# Allegro board poeicpt1_r1_2024_9_11_Afshari_Final.brd
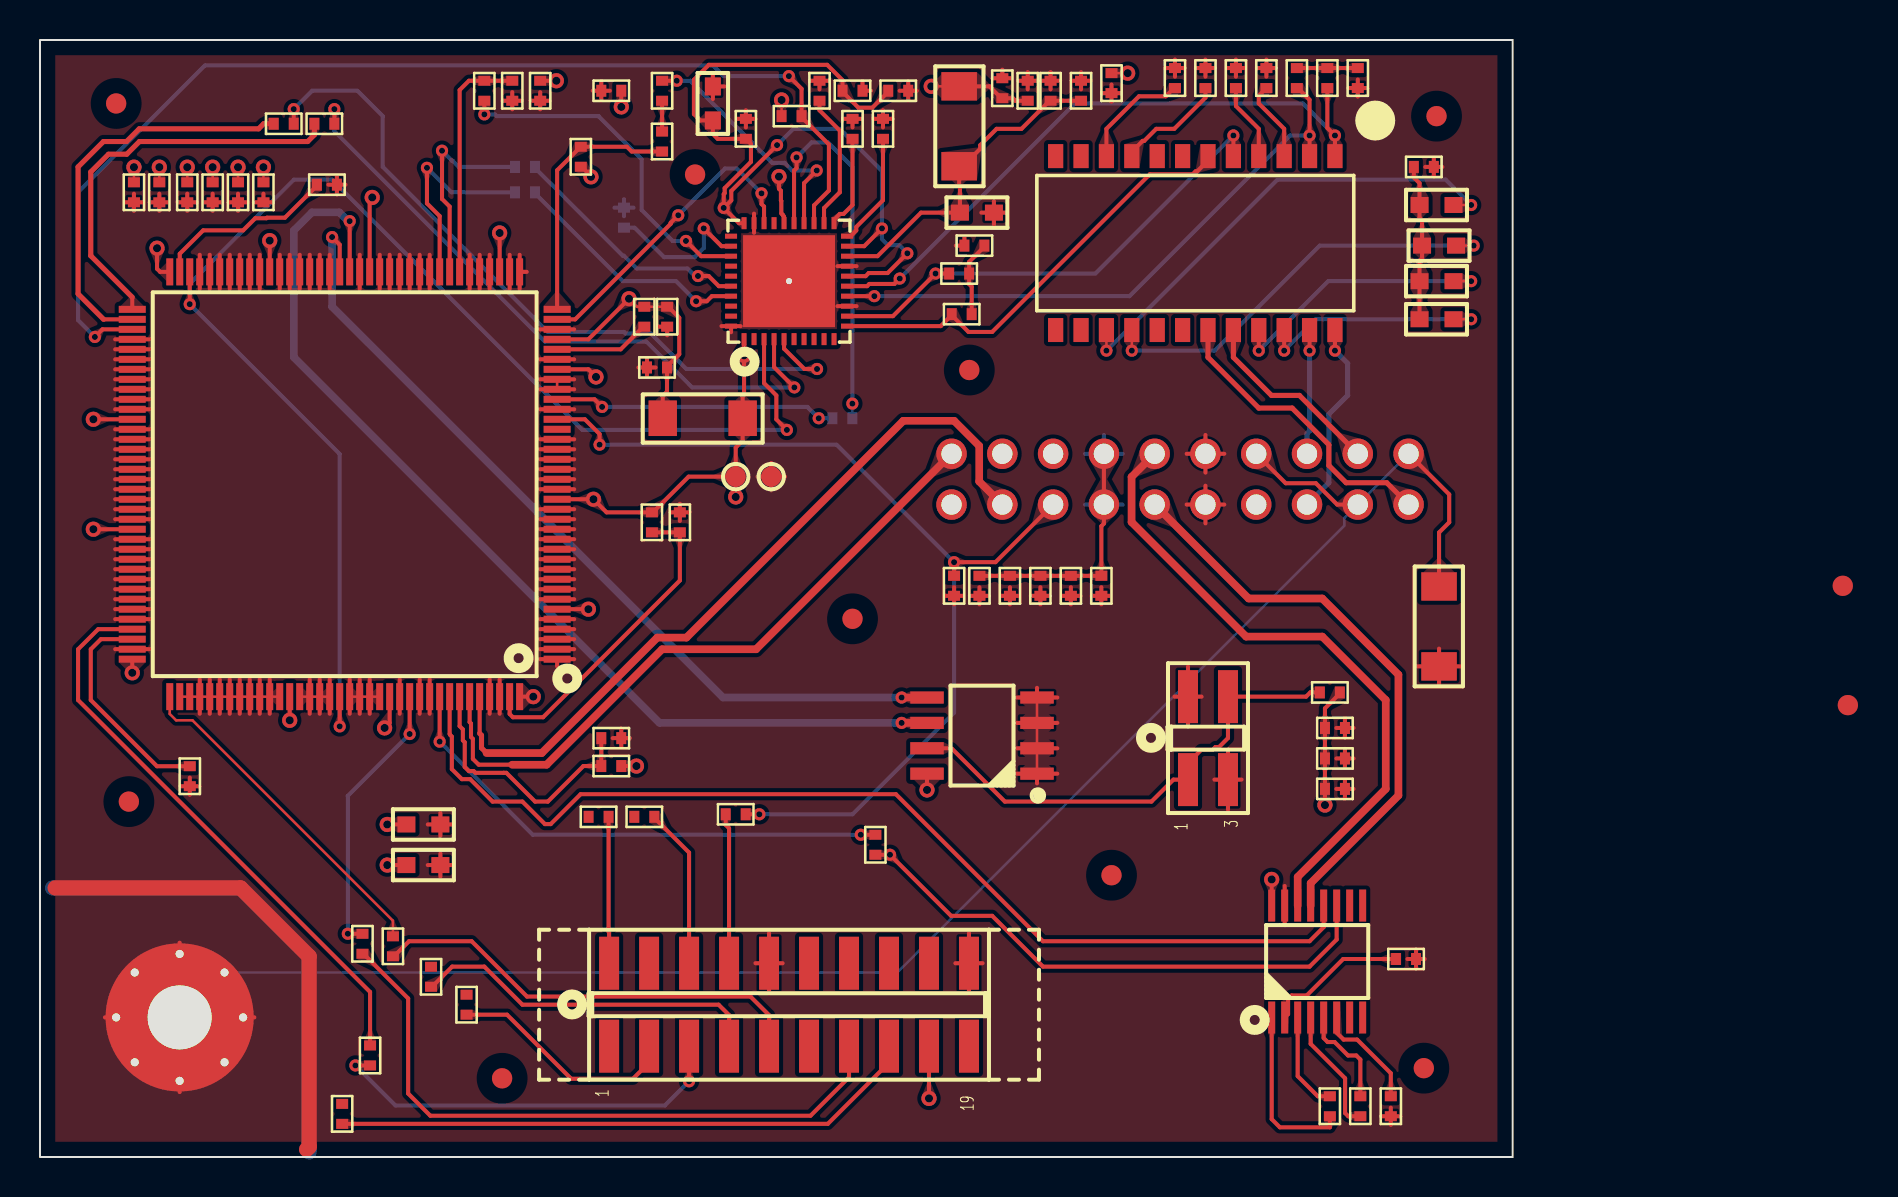
[diagram p0: board, top side]
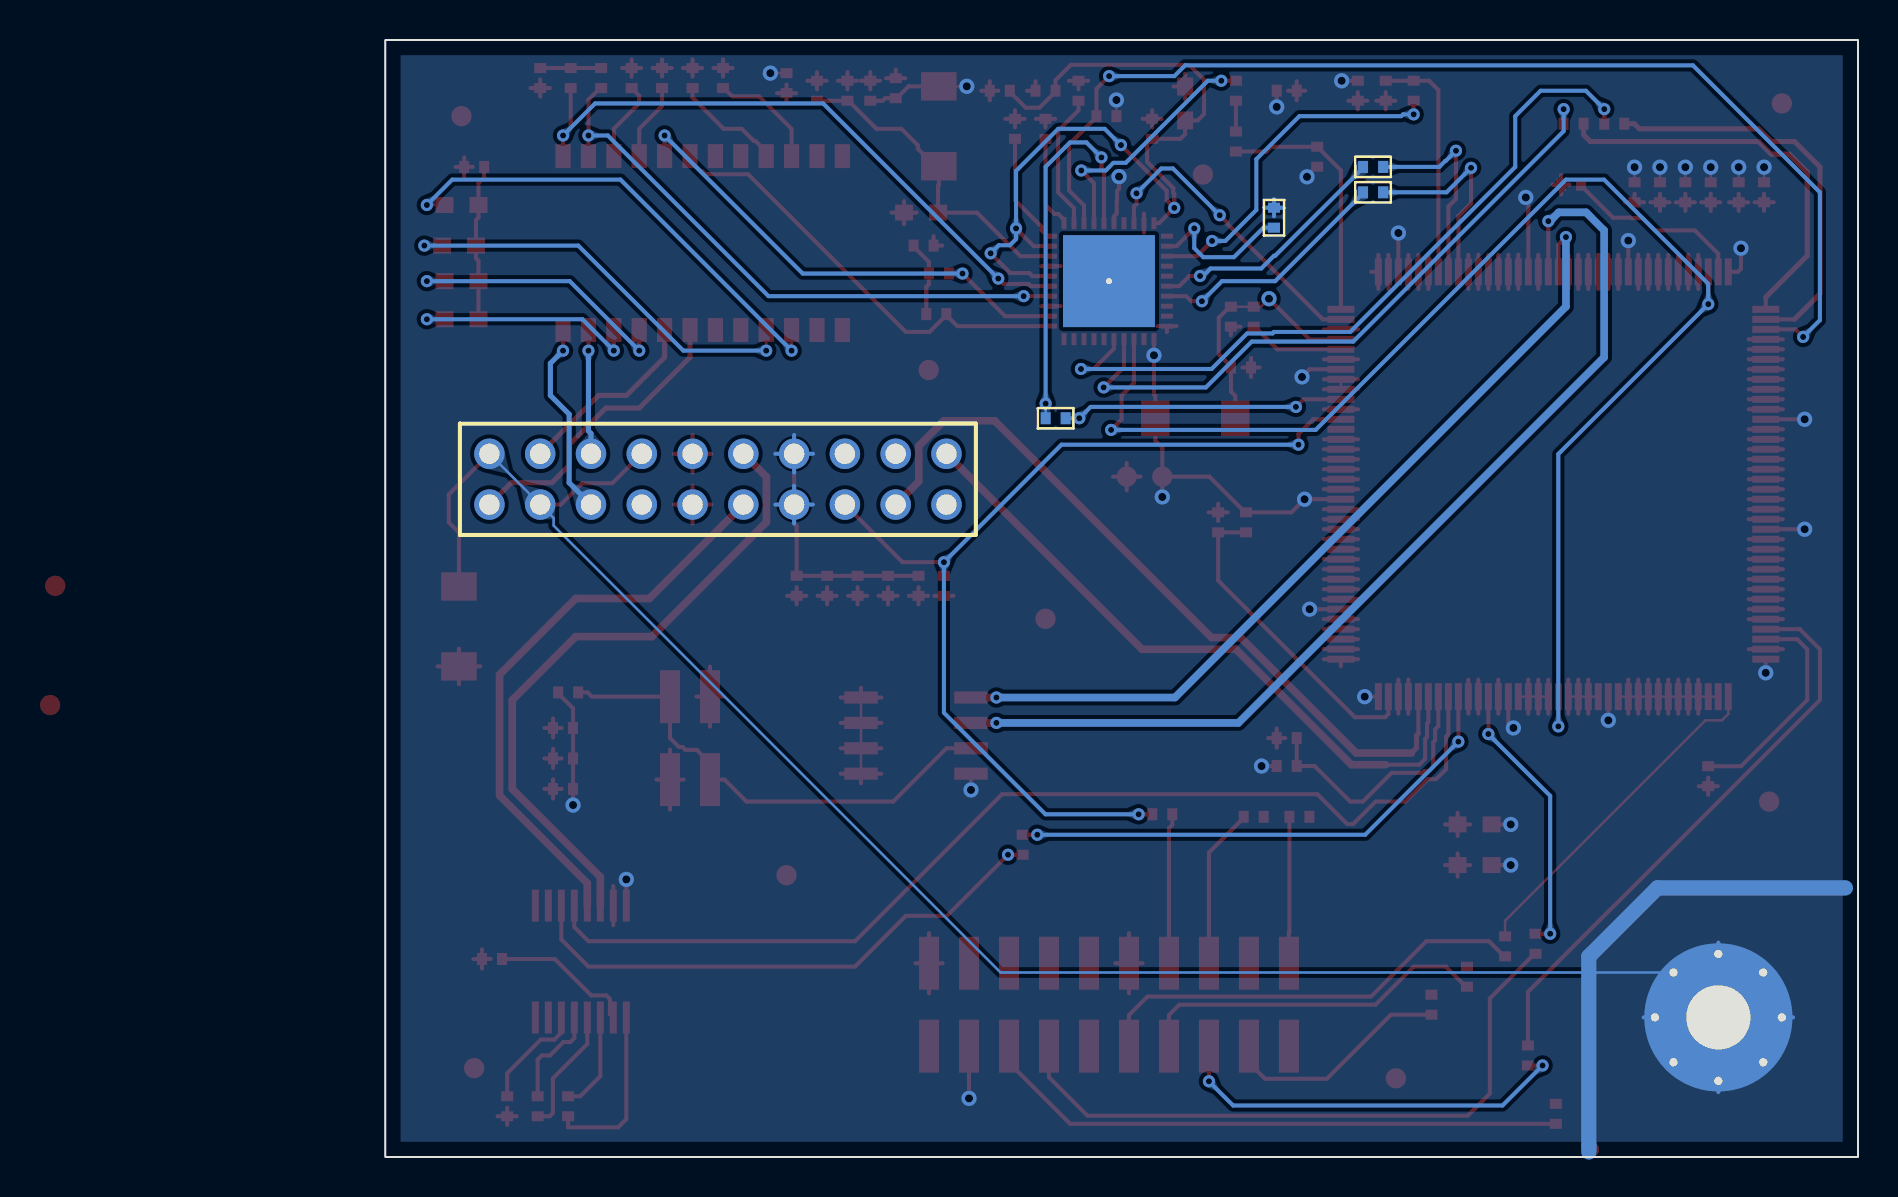
[diagram p1: board, bottom side, seen from below]

Outline 73.66 x 55.88 mm; copper layers: TOP, BOTTOM. Coordinates in mm from the lower left corner of the outline.
Outline path: rectangle 0,0 73.66,55.88

## Design rules (mm)
constraint set DEFAULT: min track width 0.203
net group BP_TCK: nets BP_TCK N52476
net group BP_TDI: nets BP_TDI N52070
net group BP_TDO_SWO: nets BP_TDO_SWO N53315
net group BP_TMS: nets BP_TMS N51938
net group C51_N: nets C51_N C51_P
net group C52_N: nets C52_N C52_P
net group FPGA_TDI: nets FPGA_TDI N51866
net group MICRO_TCK_SWDCLK: nets MICRO_TCK_SWDCLK N51902
net group MICRO_TMS_SWDIO: nets MICRO_TMS_SWDIO N51878
net group OTHERS_TDI: nets N52034 OTHERS_TDI
net group PHY_MDC: nets N39559 PHY_MDC
net group RMII_CRS_DV: nets N16768 RMII_CRS_DV
net group RXD0: nets N16088 RXD0
net group RXD1: nets N16132 RXD1
net group TXD0: nets N27854 TXD0
net group TXD1: nets N27850 TXD1
net group VDDA_3.3V: nets N53005 VDDA_3.3V
net group C45P: nets C45P TXCT1 TXCT2 TXCT3 TXCT4
net group MCU_UART_TX: nets MCU_UART_TX
net group NPI_TD: nets NPI_TD_P1
net group PHY_MDIO: nets N15355 N38580 PHY_MDIO

## Placement (name value [footprint] x y rotation side)
B1  -  [BLM41PG102SN1L]  45.97 51.56 270 top
B2  -  [BLM41PG102SN1L]  33.15 36.96 180 top
B3  -  [BLM41PG102SN1L]  69.98 26.54 90 top
C1  100nF  [0402]  25.02 53.34 270 top
C2  100nF  [0402]  64.77 19.94 0 top
C3  100nF  [0402]  53.09 28.57 270 top
C4  100nF  [0402]  48.13 53.47 90 top
C5  100nF  [0603]  19.18 16.64 0 top
C6  100nF  [0603]  19.18 14.61 0 top
C7  100nF  [0402]  52.07 53.34 90 top
C8  100nF  [0402]  50.55 53.34 90 top
C9  10uF  [0603]  46.86 47.24 0 top
C10  100nF  [0402]  65.91 53.98 90 top
C11  100nF  [0402]  46.74 45.59 0 top
C12  100nF  [0402]  42.93 53.34 0 top
C13  10uF  [0603]  33.66 52.7 90 top
C14  100nF  [0402]  40.64 53.34 0 top
C15  100nF  [0402]  35.31 51.44 90 top
C16  100nF  [0402]  45.72 28.57 90 top
C17  100nF  [0402]  64.77 21.46 0 top
C18  1uF  [0402]  28.57 53.34 180 top
C19  100nF  [0402]  64.77 18.41 0 top
C20  2.2uF  [0402]  14.35 48.64 0 top
C21  2.2uF  [0402]  7.49 19.05 270 top
C22  1uF  [0402]  31.37 42.04 270 top
C23  100nF  [0402]  30.86 39.5 180 top
C24  100nF  [0402]  8.64 48.26 270 top
C25  100nF  [0402]  9.91 48.26 270 top
C26  100nF  [0402]  11.18 48.26 270 top
C27  100nF  [0402]  4.7 48.26 270 top
C28  100nF  [0402]  7.37 48.26 270 top
C29  100nF  [0402]  5.97 48.26 270 top
C30  100nF  [0402]  46.99 28.57 270 top
C31  100nF  [0402]  48.51 28.57 270 top
C32  100nF  [0402]  50.04 28.57 270 top
C33  100nF  [0402]  51.56 28.57 270 top
C34  4.7uF  [0402]  53.59 53.72 270 top
C35  100nF  [0402]  61.34 53.98 90 top
C36  100nF  [0402]  59.82 53.98 90 top
C37  100nF  [0402]  58.29 53.98 90 top
C38  100nF  [0402]  56.77 53.98 90 top
C39  100nF  [0402]  69.22 49.53 0 top
C40  100nF  [0402]  68.33 9.91 0 top
C41  100nF  [0402]  67.56 2.54 270 top
C42  100nF  [0402]  64.52 2.54 90 top
C43  100nF  [0402]  66.04 2.54 90 top
C44  100nF  [0402]  49.4 53.34 90 top
CORNER_FID1  -  [FIDUCIAL_CORNER]  3.81 52.7 0 top
CORNER_FID2  -  [FIDUCIAL_CORNER]  69.85 52.07 0 top
CORNER_FID3  -  [FIDUCIAL_CORNER]  69.22 4.45 0 top
CORNER_FID4  -  [FIDUCIAL_CORNER]  4.45 17.78 0 top
CORNER_FID5  -  [FIDUCIAL_CORNER]  90.42 22.61 0 top
CORNER_FID6  -  [FIDUCIAL_CORNER]  90.17 28.57 0 top
FID3  -  [FIDUCIAL]  23.11 3.94 270 top
FID5  -  [FIDUCIAL]  40.64 26.92 270 top
FID7  -  [FIDUCIAL]  46.48 39.37 270 top
FID10  -  [FIDUCIAL]  53.59 14.1 0 top
FID11  -  [FIDUCIAL]  32.77 49.15 0 top
J1  HEADER_SMD_2mm_2x2  [2115_2X2]  58.42 20.95 90 top
J2  -  [2044_2X10G30SA_LCP]  57.02 33.91 270 bottom
J3  JTAG  [2115_2X10]  37.47 7.62 90 top
R1  4.7k 1%  [0402]  64.52 23.24 0 top
R2  4.7k  [0402]  37.59 52.07 180 top
R3  47  [0402]  31.11 53.34 90 top
R4  49.9 1%  [0402]  62.87 53.98 90 top
R5  49.9 1%  [0402]  64.39 53.98 90 top
R6  49.9 1%  [0402]  45.97 44.2 0 top
R7  49.9 1%  [0402]  46.1 42.16 0 top
R8  4.7k__NP 1%  [0402]  38.99 53.34 90 top
R9  4.7k__NP 1%  [0402]  40.64 51.44 90 top
R10  4.7k  [0402]  29.21 46.99 90 bottom
R11  1k 1%  [0402]  23.62 53.34 90 top
R12  4.87k 1%  [0402]  42.16 51.44 90 top
R13  47  [0402]  22.23 53.34 270 top
R14  47  [0402]  24.26 49.53 0 bottom
R15  47  [0402]  24.26 48.26 0 bottom
R16  4.7k  [0402]  31.11 50.8 90 top
R17  4.7k  [0402]  27.05 50.04 270 top
R18  47  [0402]  40.13 36.96 0 bottom
R19  47  [0402]  41.78 15.62 270 top
R20  47  [0402]  14.22 51.69 0 top
R21  47  [0402]  12.19 51.69 0 top
R22  10k 1%  [0402]  28.57 19.56 0 top
R23  100  [0402]  28.57 20.95 0 top
R24  4.7k__NP  [0402]  30.61 31.75 90 top
R25  100  [0402]  32 31.75 90 top
R26  47  [0402]  30.23 42.04 90 top
R27  75  [0603]  69.85 41.91 0 top
R28  75  [0603]  69.85 43.81 0 top
R29  75  [0603]  69.98 45.59 0 top
R30  75  [0603]  69.85 47.62 0 top
R31  56  [0402]  27.94 17.02 180 top
R32  56  [0402]  21.34 7.62 270 top
R33  56  [0402]  16.51 5.08 270 top
R34  56  [0402]  19.56 9.02 270 top
R35  56__NP  [0402]  34.8 17.14 0 top
R36  56  [0402]  30.23 17.02 180 top
R37  56  [0402]  17.65 10.54 270 top
R38  56  [0402]  16.13 10.67 270 top
R39  56  [0402]  15.11 2.16 270 top
SC1  -  [SCREW_WITH_VIA]  6.99 6.99 0 top
TP1  GND  [SMD_TP40]  34.8 34.04 0 top
TP2  VCCD_3.3V  [SMD_TP40]  36.58 34.04 0 top
U1  -  [AT24C04D_SSHM_T]  47.12 21.08 180 top
U2  -  [DP83848KSQ_NOPB]  37.47 43.81 90 top
U4  -  [STM32F765ZIT6]  15.24 33.66 180 top
U5  -  [LP82453NL]  57.78 45.72 270 top
U6  -  [MAX3232EIPW]  63.88 9.78 90 top

## Library data of the parts
B1-B3 = BLM41PG102SN1L
C1-C4 C7 C8 C10-C12 C14-C17 C19 C23-C33 C35-C44 = C_100n_0402_X7R_16V_10P: signal model: DEFAULT_CAPACITOR_100000pF_2_1
C5 C6 = C_100n_0603_X7R_50V_10P: signal model: DEFAULT_CAPACITOR_100000pF_2_1
C9 C13 = C_100n_0603_X7R_50V_10P: signal model: DEFAULT_CAPACITOR_1e+07pF_2_1
C18 C22 = C_100n_0402_X7R_16V_10P: signal model: DEFAULT_CAPACITOR_1e+06pF_2_1
C20 C21 = C_100n_0402_X7R_16V_10P: signal model: DEFAULT_CAPACITOR_2.2e+06pF_2_1
C34 = C_100n_0402_X7R_16V_10P: signal model: DEFAULT_CAPACITOR_4.7e+06pF_2_1
CORNER_FID1-CORNER_FID6 = FIDUCIAL_CORNER
FID3 FID5 FID7 FID10 FID11 = FIDUCIAL
J1 = HEADER_SMD_2mm_2x2
J2 = 2044_2X10G30SA_LCP
J3 = JTAG_Connector
R1 R11 R12 = R_1K_0402_0W0625_1P
R2 R10 = R_100K_0402_0W0625_5P: signal model: DEFAULT_RESISTOR_4700OHM_2_1
R3 R13-R15 R19 = R_47R_0402_0W0625_5P: signal model: DEFAULT_RESISTOR_47.000000OHM_2_1
R4-R9 R22 = R_10K_0402_0W0625_1P
R16 R17 = R_0R_0402_0W0625: signal model: DEFAULT_RESISTOR_4700OHM_2_1
R18 = R_0R_0402_0W0625: signal model: DEFAULT_RESISTOR_47.000000OHM_2_1
R20 R21 R26 = R_1K_0402_0W0625_5P: signal model: DEFAULT_RESISTOR_47.000000OHM_2_1
R23 = R_47R_0402_0W0625_5P: signal model: DEFAULT_RESISTOR_100.000000OHM_2_1
R24 = R_75R_0402_0W0625_5P
R25 = R_75R_0402_0W0625_5P: signal model: DEFAULT_RESISTOR_100.000000OHM_2_1
R27-R30 = R_75R_0603_0W1_5P: signal model: DEFAULT_RESISTOR_75.000000OHM_2_1
R31-R34 R36-R39 = R_47R_0402_0W0625_5P: signal model: DEFAULT_RESISTOR_56.000000OHM_2_1
R35 = R_47R_0402_0W0625_5P
SC1 = SCREW_WITH_VIA
TP1 TP2 = SMD_TP40
U1 = AT24C04D_SSHM_T
U2 = DP83848KSQ_NOPB: signal model: DP83848
U4 = STM32F765ZIT6: signal model: stm32f765_767_777_lqfp144
U5 = LP82453NL
U6 = MAX3232EIPW

## Footprints (pads in the part's own frame, mm; a bottom-side part is the same pattern mirrored in y, then rotated)
0402
  rect 0.5x0.6 smd: 1(-0.5,0) 2(0.5,0)
0603
  rect 0.9x0.8 smd: 1(-0.85,0) 2(0.85,0)
2044_2X10G30SA_LCP
  round 1.524 hole 1.016: P1(-1.27,11.43) P2(1.27,11.43) P3(-1.27,8.89) P4(1.27,8.89) P5(-1.27,6.35) P6(1.27,6.35) P7(-1.27,3.81) P8(1.27,3.81) P9(-1.27,1.27) P10(1.27,1.27) P11(-1.27,-1.27) P12(1.27,-1.27) P13(-1.27,-3.81) P14(1.27,-3.81) P15(-1.27,-6.35) P16(1.27,-6.35) P17(-1.27,-8.89) P18(1.27,-8.89) P19(-1.27,-11.43) P20(1.27,-11.43)
2115_2X2
  rect 2.65x1 smd: 1(-2.075,1) 2(2.075,1) 3(-2.075,-1) 4(2.075,-1)
2115_2X10
  rect 2.65x1 smd: 1(-2.075,9) 2(2.075,9) 3(-2.075,7) 4(2.075,7) 5(-2.075,5) 6(2.075,5) 7(-2.075,3) 8(2.075,3) 9(-2.075,1) 10(2.075,1) 11(-2.075,-1) 12(2.075,-1) 13(-2.075,-3) 14(2.075,-3) 15(-2.075,-5) 16(2.075,-5) 17(-2.075,-7) 18(2.075,-7) 19(-2.075,-9) 20(2.075,-9)
AT24C04D_SSHM_T
  rect 1.676x0.61 smd: 1(-2.751,1.905) 2(-2.751,0.635) 3(-2.751,-0.635) 4(-2.751,-1.905) 5(2.751,-1.905) 6(2.751,-0.635) 7(2.751,0.635) 8(2.751,1.905)
BLM41PG102SN1L
  rect 1.422x1.778 smd: 1(-1.999,0) 2(1.999,0)
DP83848KSQ_NOPB
  rect 0.6x0.25 smd: 1(-2.9,2.25) 2(-2.9,1.75) 3(-2.9,1.25) 4(-2.9,0.75) 5(-2.9,0.25) 6(-2.9,-0.25) 7(-2.9,-0.75) 8(-2.9,-1.25) 9(-2.9,-1.75) 10(-2.9,-2.25) 21(2.9,-2.25) 22(2.9,-1.75) 23(2.9,-1.25) 24(2.9,-0.75) 25(2.9,-0.25) 26(2.9,0.25) 27(2.9,0.75) 28(2.9,1.25) 29(2.9,1.75) 30(2.9,2.25)
  rect 0.25x0.6 smd: 11(-2.25,-2.9) 12(-1.75,-2.9) 13(-1.25,-2.9) 14(-0.75,-2.9) 15(-0.25,-2.9) 16(0.25,-2.9) 17(0.75,-2.9) 18(1.25,-2.9) 19(1.75,-2.9) 20(2.25,-2.9) 31(2.25,2.9) 32(1.75,2.9) 33(1.25,2.9) 34(0.75,2.9) 35(0.25,2.9) 36(-0.25,2.9) 37(-0.75,2.9) 38(-1.25,2.9) 39(-1.75,2.9) 40(-2.25,2.9)
  rect 4.597x4.597 hole 0.305: 41(0,0)
FIDUCIAL
  round 1.016 smd: 1(0,0)
FIDUCIAL_CORNER
  round 1.016 smd: 1(0,0)
LP82453NL
  rect 1.2x0.76 smd: 1(-4.35,6.985) 2(-4.35,5.715) 3(-4.35,4.445) 4(-4.35,3.175) 5(-4.35,1.905) 6(-4.35,0.635) 7(-4.35,-0.635) 8(-4.35,-1.905) 9(-4.35,-3.175) 10(-4.35,-4.445) 11(-4.35,-5.715) 12(-4.35,-6.985) 13(4.35,-6.985) 14(4.35,-5.715) 15(4.35,-4.445) 16(4.35,-3.175) 17(4.35,-1.905) 18(4.35,-0.635) 19(4.35,0.635) 20(4.35,1.905) 21(4.35,3.175) 22(4.35,4.445) 23(4.35,5.715) 24(4.35,6.985)
MAX3232EIPW
  rect 1.6x0.35 smd: 1(-2.8,2.275) 2(-2.8,1.625) 3(-2.8,0.975) 4(-2.8,0.325) 5(-2.8,-0.325) 6(-2.8,-0.975) 7(-2.8,-1.625) 8(-2.8,-2.275) 9(2.8,-2.275) 10(2.8,-1.625) 11(2.8,-0.975) 12(2.8,-0.325) 13(2.8,0.325) 14(2.8,0.975) 15(2.8,1.625) 16(2.8,2.275)
SCREW_WITH_VIA
  round 3.835 hole 3.2: 1(0,0)
  round 0.762 hole 0.406: 2(0,3.175) 3(-2.245,2.245) 4(-3.175,0) 5(-2.245,-2.245) 6(0,-3.175) 7(2.245,-2.245) 8(3.175,0) 9(2.245,2.245)
SMD_TP40
  round 1.016 smd: 1(0,0)
STM32F765ZIT6
  rect 1.35x0.35 smd: 1(-10.625,8.75) 2(-10.625,8.25) 3(-10.625,7.75) 4(-10.625,7.25) 5(-10.625,6.75) 6(-10.625,6.25) 7(-10.625,5.75) 8(-10.625,5.25) 9(-10.625,4.75) 10(-10.625,4.25) 11(-10.625,3.75) 12(-10.625,3.25) 13(-10.625,2.75) 14(-10.625,2.25) 15(-10.625,1.75) 16(-10.625,1.25) 17(-10.625,0.75) 18(-10.625,0.25) 19(-10.625,-0.25) 20(-10.625,-0.75) 21(-10.625,-1.25) 22(-10.625,-1.75) 23(-10.625,-2.25) 24(-10.625,-2.75) 25(-10.625,-3.25) 26(-10.625,-3.75) 27(-10.625,-4.25) 28(-10.625,-4.75) 29(-10.625,-5.25) 30(-10.625,-5.75) 31(-10.625,-6.25) 32(-10.625,-6.75) 33(-10.625,-7.25) 34(-10.625,-7.75) 35(-10.625,-8.25) 36(-10.625,-8.75) 73(10.625,-8.75) 74(10.625,-8.25) 75(10.625,-7.75) 76(10.625,-7.25) 77(10.625,-6.75) 78(10.625,-6.25) 79(10.625,-5.75) 80(10.625,-5.25) 81(10.625,-4.75) 82(10.625,-4.25) 83(10.625,-3.75) 84(10.625,-3.25) 85(10.625,-2.75) 86(10.625,-2.25) 87(10.625,-1.75) 88(10.625,-1.25) 89(10.625,-0.75) 90(10.625,-0.25) 91(10.625,0.25) 92(10.625,0.75) 93(10.625,1.25) 94(10.625,1.75) 95(10.625,2.25) 96(10.625,2.75) 97(10.625,3.25) 98(10.625,3.75) 99(10.625,4.25) 100(10.625,4.75) 101(10.625,5.25) 102(10.625,5.75) 103(10.625,6.25) 104(10.625,6.75) 105(10.625,7.25) 106(10.625,7.75) 107(10.625,8.25) 108(10.625,8.75)
  rect 0.35x1.35 smd: 37(-8.75,-10.625) 38(-8.25,-10.625) 39(-7.75,-10.625) 40(-7.25,-10.625) 41(-6.75,-10.625) 42(-6.25,-10.625) 43(-5.75,-10.625) 44(-5.25,-10.625) 45(-4.75,-10.625) 46(-4.25,-10.625) 47(-3.75,-10.625) 48(-3.25,-10.625) 49(-2.75,-10.625) 50(-2.25,-10.625) 51(-1.75,-10.625) 52(-1.25,-10.625) 53(-0.75,-10.625) 54(-0.25,-10.625) 55(0.25,-10.625) 56(0.75,-10.625) 57(1.25,-10.625) 58(1.75,-10.625) 59(2.25,-10.625) 60(2.75,-10.625) 61(3.25,-10.625) 62(3.75,-10.625) 63(4.25,-10.625) 64(4.75,-10.625) 65(5.25,-10.625) 66(5.75,-10.625) 67(6.25,-10.625) 68(6.75,-10.625) 69(7.25,-10.625) 70(7.75,-10.625) 71(8.25,-10.625) 72(8.75,-10.625) 109(8.75,10.625) 110(8.25,10.625) 111(7.75,10.625) 112(7.25,10.625) 113(6.75,10.625) 114(6.25,10.625) 115(5.75,10.625) 116(5.25,10.625) 117(4.75,10.625) 118(4.25,10.625) 119(3.75,10.625) 120(3.25,10.625) 121(2.75,10.625) 122(2.25,10.625) 123(1.75,10.625) 124(1.25,10.625) 125(0.75,10.625) 126(0.25,10.625) 127(-0.25,10.625) 128(-0.75,10.625) 129(-1.25,10.625) 130(-1.75,10.625) 131(-2.25,10.625) 132(-2.75,10.625) 133(-3.25,10.625) 134(-3.75,10.625) 135(-4.25,10.625) 136(-4.75,10.625) 137(-5.25,10.625) 138(-5.75,10.625) 139(-6.25,10.625) 140(-6.75,10.625) 141(-7.25,10.625) 142(-7.75,10.625) 143(-8.25,10.625) 144(-8.75,10.625)

## Nets
GND: B3.1 C1.2 C2.2 C3.2 C4.2 C5.2 C6.2 C7.2 C8.2 C9.2 C10.1 C11.1 C12.2 C13.2 C14.2 C15.2 C16.1 C17.2 C18.2 C19.2 C20.2 C21.2 C22.2 C23.2 C24.2 C25.2 C26.2 C27.2 C28.2 C29.2 C30.2 C31.2 C32.2 C33.2 C34.2 C35.2 C36.2 C37.2 C38.2 C39.2 C40.2 C41.2 C44.2 J1.2 J1.3 J2.P11 J2.P12 J3.10 J3.20 R8.2 R9.2 R11.1 R12.2 R23.2 R25.2 TP2.1 U1.1 U1.2 U1.3 U1.4 U2.13 U2.17 U2.29 U2.40 U2.41 U4.1 U4.2 U4.3 U4.4 U4.5 U4.7 U4.8 U4.9 U4.10 U4.11 U4.12 U4.13 U4.14 U4.15 U4.16 U4.18 U4.19 U4.20 U4.21 U4.22 U4.23 U4.26 U4.28 U4.29 U4.31 U4.34 U4.37 U4.38 U4.40 U4.41 U4.42 U4.46 U4.47 U4.48 U4.49 U4.50 U4.51 U4.53 U4.56 U4.57 U4.58 U4.59 U4.60 U4.61 U4.63 U4.64 U4.65 U4.66 U4.67 U4.68 U4.69 U4.76 U4.77 U4.78 U4.79 U4.80 U4.81 U4.82 U4.83 U4.85 U4.86 U4.87 U4.88 U4.89 U4.90 U4.91 U4.92 U4.93 U4.94 U4.96 U4.97 U4.98 U4.99 U4.100 U4.101 U4.102 U4.103 U4.104 U4.107 U4.110 U4.111 U4.112 U4.113 U4.114 U4.115 U4.116 U4.117 U4.118 U4.119 U4.120 U4.122 U4.123 U4.124 U4.125 U4.127 U4.128 U4.129 U4.130(VSS_9) U4.132 U4.134 U4.135 U4.141 U4.142 U6.15
GND_EARTH: B3.2 J2.P13 J2.P18 J2.P19 SC1.1 SC1.2 SC1.3 SC1.4 SC1.5 SC1.6 SC1.7 SC1.8 SC1.9
VCCA_3.3V_PHY: B1.2 C7.1 C8.1 C9.1 U2.18
VCCD_3.3V: B1.1 B2.1 C1.1 C2.1 C3.1 C4.1 C5.1 C6.1 C17.1 C18.1 C19.1 C24.1 C25.1 C26.1 C27.1 C28.1 C29.1 C30.1 C31.1 C32.1 C33.1 C34.1 C44.1 J2.P7 J2.P8 J3.17(VREF) R1.2 R2.2 R10.2 R17.2 R22.2 R24.2 TP1.1 U1.8 U2.1 U2.26 U4.6 U4.17 U4.30 U4.39 U4.52 U4.62 U4.72 U4.84 U4.95 U4.108 U4.121 U4.131 U4.144 U6.16
VDDA_3.3V: B2.2 C22.1 C23.1 R26.2 U4.33
B_FPGA__TDO: J3.4
B_MICRO_TDO: J3.1
B_OTHERS__TDO: J3.12
BAD_TDI: J3.14
BP_TCK: R34.1
BP_TDI: R31.2
BP_TDO: J3.11
BP_TDO_SWO: R38.1 U4.133
BP_TMS: R39.1
BP_TRST_B: J3.19
C45P: C39.1 R27.1 R28.1 R29.1 R30.1
C51_N: C42.2 U6.3
C51_P: C42.1 U6.1
C52_N: C43.2 U6.5
C52_P: C43.1 U6.4
C53_P: C40.1 U6.2(V_P)
C54_P: C41.1 U6.6
EEPROM_SCL: U1.6 U4.54
EEPROM_SDA: U1.5 U4.55
EEPROM_WP: J1.1 J1.4 R1.1 U1.7(WP)
FPGA_TDI: R32.1
JTAG_BUFF_OE1: J3.16
JTAG_BUFF_OE2: J3.18
MCU_RESET: C16.2 J2.P6 R35.2 U4.25
MCU_UART_RX: U4.137 U6.12
MCU_UART_TX: R19.2 U6.11
MICRO_TCK_SWDCLK: R37.1 U4.109
MICRO_TMS_SWDIO: R33.1 U4.105
NPI_RD_N1: R7.1 U2.11 U5.6
NPI_RD_P1: R6.1 U2.12 U5.5
NPI_TD_N1: R4.1 U2.14 U5.2
NPI_TD_P1: R5.1 U2.15 U5.1
NPI_TX_N1: J2.P15 U5.23
NPI_TX_N2: J2.P20 U5.19
NPI_TX_P1: J2.P16 U5.24
NPI_TX_P2: J2.P17 U5.20
OTHERS_TDI: R36.2
PDR_ON: R24.1 R25.1 U4.143
PHY_MDC: R18.2 U2.25
PHY_MDIO: R3.1 R16.2
PHY_RESET_B: R2.1 U2.23 U4.75
POE_CONTROLLER_INTRP: J2.P5
POE_CONTROLLER_RESET: J2.P3
POE_I2C_SCL: J2.P1 U4.139
POE_I2C_SDA: J2.P4 U4.140
RMII_CRS_DV: R11.2 R13.1 U4.43
RMII_REFCLK_50MHZ_PHY: U2.28 U4.35
RS_UART_RX: J2.P9 U6.14
RS_UART_TX: J2.P10 U6.13
RXD0: R14.1 U4.44
RXD1: R15.1 U4.45
TDCT1: C35.1 U5.3
TDCT2: C36.1 U5.4
TDCT3: C37.1 U5.9
TDCT4: C38.1 U5.10
TX_EN: U2.3 U4.70 U4.126
TXCT1: R27.2 U5.22
TXCT2: R28.2 U5.21
TXCT3: R29.2 U5.16
TXCT4: R30.2 U5.15(TXCT4)
TXD0: R20.2 U2.4
TXD1: R21.2 U2.5
VCAP_1: C20.1 U4.71
VCAP_2: C21.1 U4.106
N15355: R3.2 U2.24
N15771: R10.1 U2.32
N16088: R14.2 U2.36
N16132: R15.2 U2.37
N16768: R13.2 U2.33
N17548: C12.1 C13.1 C14.1 C15.1 U2.16 U2.19 U2.30
N27850: R21.1 U4.74
N27854: R20.1 U4.73
N38580: R16.1 R17.1 U4.36
N39559: R18.1 U4.27
N40877: C11.2 R6.2 R7.2
N41615: C10.2 R4.2 R5.2
N48379: R9.1 U2.21
N48383: R8.1 U2.22
N51866: J3.3 R32.2
N51878: J3.5 R33.2